# Altium PCB V1.0.PcbDoc (part 1 of 2) (continued)
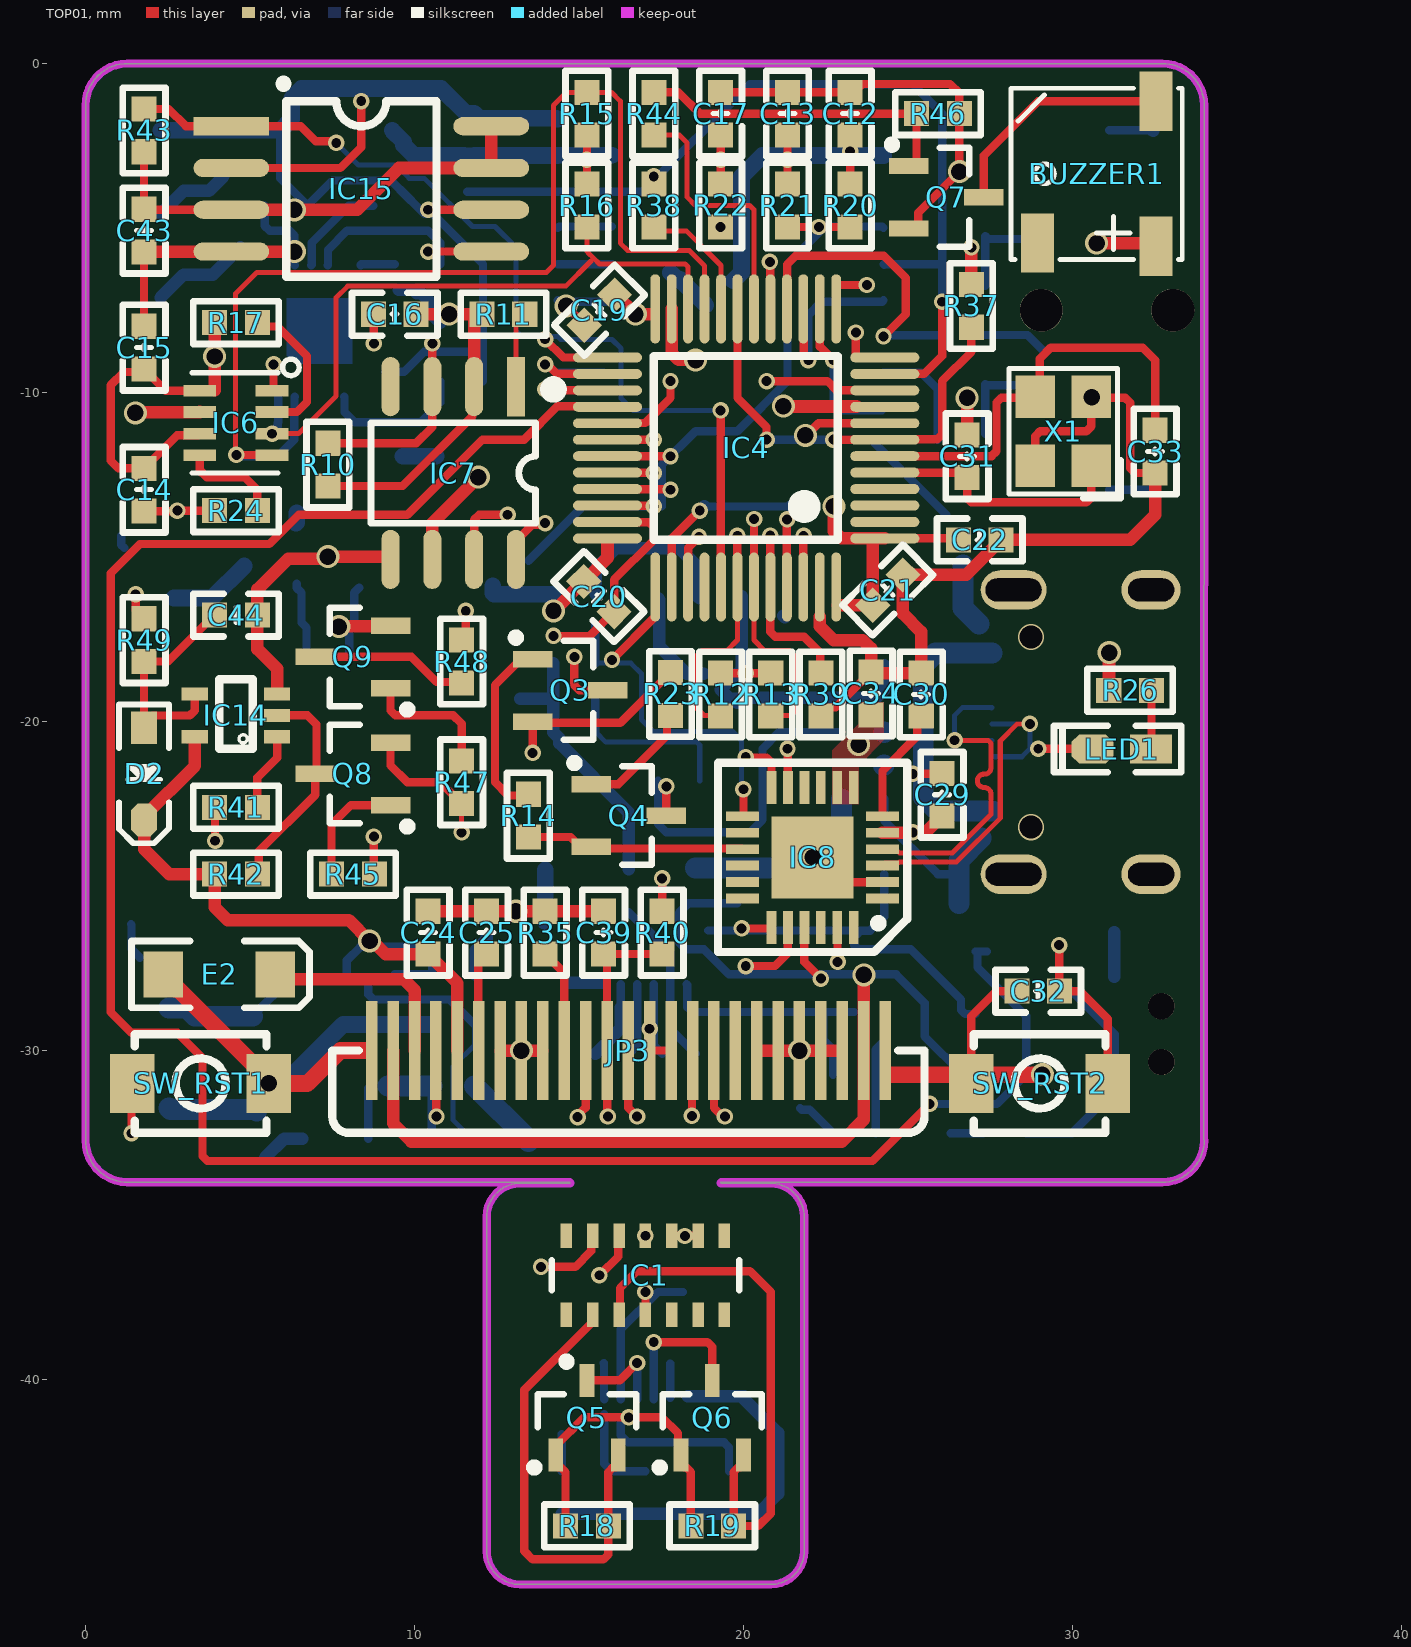
[diagram p0: TOP01 view]
## Components (designator, comment, footprint, x,y, rotation, side; value= is the part's Value field where it differs from the comment)
BUZZER1 "Beep-5020" 5020BUZZER 30.734,-3.302 r0 top
C1 "4.7μF" "C 0603_L" 17.018,-43.434 r270 bottom
C2 "0.1μF" "C 0603_L" 27.94,-32.512 r0 bottom
C3 "10nF" "C 0603_L" 6.096,-4.318 r0 bottom
C4 "10μF" "C 0603_L" 19.558,-43.434 r90 bottom
C5 "0.1μF" "C 0603_L" 11.176,-32.766 r0 bottom
C6 "1μF" "C 0603_L" 11.938,-2.286 r90 bottom
C7 "10uF/6.3V" "CD A(3216)" 7.62,-2.032 r180 bottom
C8 "2.2nF" "C 0603_L" 11.43,-9.652 r180 bottom
C9 "0.1μF" "C 0603_L" 11.43,-6.096 r0 bottom
C10 "0.1μF" "C 0603_L" 18.161,-13.462 r180 bottom
C11 "0.1μF" "C 0603_L" 11.43,-7.874 r180 bottom
C12 "0.1μF" "C 0603_L" 23.241,-1.524 r90 top
C13 "0.1μF" "C 0603_L" 21.336,-1.524 r90 top
C14 "0.1μF" "C 0603_L" 1.778,-12.954 r270 top
C15 "0.1μF" "C 0603_L" 1.778,-8.636 r90 top
C16 "0.1μF" "C 0603_L" 9.398,-7.62 r180 top
C17 "0.1μF" "C 0603_L" 19.304,-1.524 r90 top
C18 "4.7μF" "C 0603_L" 22.098,-13.462 r0 bottom
C19 "0.1μF" "C 0603_L" 15.621,-7.493 r45 top
C20 "0.1μF" "C 0603_L" 15.605,-16.201 r135 top
C21 "0.1μF" "C 0603_L" 24.384,-16.002 r225 top
C22 "0.1μF" "C 0603_L" 27.178,-14.478 r180 top
C23 "4.7pF" "C 0603_L" 10.16,-24.13 r0 bottom
C24 "1μF" "C 0603_L" 10.414,-26.416 r270 top
C25 "1μF" "C 0603_L" 12.192,-26.416 r270 top
C26 "4.7μF" "C 0603_L" 2.032,-22.098 r0 bottom
C27 "10μF" "C 0603_L" 23.622,-18.288 r180 bottom
C28 "10μF" "C 0603_L" 23.622,-22.352 r0 bottom
C29 "1μF" "C 0603_L" 26.035,-22.225 r90 top
C30 "0.1μF" "C 0603_L" 25.4,-19.177 r90 top
C31 "22pF" "C 0603_L" 26.797,-11.938 r90 top
C32 "0.1μF" "C 0603_L" 28.956,-28.194 r0 top locked
C33 "22pF" "C 0603_L" 32.512,-11.796 r270 top
C34 "1μF" "C 0603_L" 23.876,-19.147 r90 top
C35 "1μF" "C 0603_L" 11.303,-11.938 r180 bottom
C36 "1μF" "C 0603_L" 11.43,-17.907 r0 bottom
C37 "1μF" "C 0603_L" 2.682,-9.906 r180 bottom
C38 "1μF" "C 0603_L" 2.032,-16.256 r0 bottom
C39 "0.1μF" "C 0603_L" 15.748,-26.416 r270 top
C40 "2.2μF" "C 0603_L" 7.366,-17.907 r0 bottom
C41 "10μF" "C 0603_L" 7.874,-11.938 r0 bottom
C42 "10μF" "C 0603_L" 4.826,-14.62 r270 bottom
C43 "0.1μF" "C 0603_L" 1.778,-5.08 r90 top
C44 "10μF" "C 0603_L" 4.572,-16.764 r0 top
D1 "1N4148" SOD-123 9.144,-20.32 r0 bottom
D2 "1N4148" SOD-323 1.778,-21.59 r270 top
DZx1 "BAT54C" SOT23-3N 28.194,-27.94 r90 bottom
E1 "4.7uF/35V" "CD A(3216)" 13.97,-24.384 r270 bottom
E2 "4.7uF/35V" "CD A(3216)" 4.064,-27.686 r180 top
H1 "PAD2" CHARGE_PAD 2.54,-29.972 r180 top locked
IC1 "MAX30102EFD+" FP-F143A5-1-MFG 17.018,-36.83 r90 top
IC2 "MPU6050" "QFN24 4x4_M" 7.112,-8.128 r90 bottom
IC3 "DS2740" MSOP8_L 7.62,-30.226 r180 bottom
IC4 "STM32F103CBT6" "LQFP48 7X7_M" 20.066,-11.684 r90 top
IC5 "ESP01F" ESP-01F 19.304,-6.096 r180 bottom
IC6 "BME280" BME280 4.572,-10.922 r0 top
IC7 "DS3231-8PIN" SOP8_N 11.176,-12.446 r270 top
IC8 "CH342F" QFN24 22.098,-24.13 r180 top
IC9 "TPS61040DBV" SOT23-5L 6.096,-23.114 r270 bottom
IC10 "PW4056H" SOP-8_L4.9-W3.9-P1.27-LS6.0-BL-EP3.1 19.304,-19.028 r0 bottom
IC11 "PW5410A" SOT23-6 7.366,-14.859 r180 bottom
IC12 "RT9013" SOT23-5L 2.159,-12.954 r0 bottom
IC13 "PW6566" SOT23-3L 11.43,-14.732 r180 bottom
IC14 "74HC1G66GW,125" SOT-353_L2.2-W1.4-P0.65-LS2.4-BR 4.572,-19.812 r0 top
IC15 "W25Q64" SOP8W_N 8.382,-3.81 r0 top
JP1 "FPC1.0-6P" "FPC0.5 2H-WS-6P" 17.018,-38.1 r0 bottom
JP2 "FPC1.0-6P" "FPC0.5 2H-WS-6P" 17.018,-30.48 r180 bottom
JP3 "25pin焊接式FPC" 25PIN焊接式FPC 16.5,-30 r0 top locked
JP4 "HDR-1X3" HDR2.54-3P 2.286,-4.572 r180 bottom locked
K1 "拨轮开关" 拨轮开关 30.2,-7.5 r0 bottom locked
L1 "6.8uH" NR3015 3.81,-19.558 r0 bottom
LED1 "绿色" "LED 0603G" 31.496,-20.828 r180 top
Q1 "AO3401" SOT23-3N 20.066,-25.4 r90 bottom
Q2 "SS8050" SOT23-3N 23.368,-27.686 r180 bottom
Q3 "SS8050" SOT23-3N 14.732,-19.05 r270 top
Q4 "SS8050" SOT23-3N 16.51,-22.86 r270 top
Q5 "2SK3018" SOT23-3L 15.24,-41.148 r0 top
Q6 "2SK3018" SOT23-3L 19.05,-41.148 r0 top
Q7 "SS8050" SOT23-3N 26.162,-4.064 r270 top
Q8 "SS8050" SOT23-3N 8.128,-21.59 r90 top
Q9 "SS8550" SOT23-3N 8.128,-18.034 r90 top
R1 "22K" "R 0603_L" 27.94,-30.734 r0 bottom
R2 "4.7K" "R 0603_L" 11.176,-27.686 r0 bottom
R3 "150" "R 0603_L" 11.176,-29.21 r180 bottom
R4 "10K" "R 0603_L" 9.398,-4.318 r0 bottom
R5 "240K" "R 0603_L" 23.622,-24.384 r0 bottom
R6 "0" "R 0603_L" 14.478,-43.434 r90 bottom
R7 "10mΩ" "R 0603_L" 11.176,-31.073 r0 bottom
R8 "2.2K" "R 0603_L" 23.368,-32.512 r180 bottom
R9 "240K" "R 0603_L" 23.368,-30.734 r0 bottom
R10 "4.7K" "R 0603_L" 7.366,-12.192 r90 top
R11 "4.7K" "R 0603_L" 12.7,-7.62 r0 top
R12 "4.7K" "R 0603_L" 19.304,-19.177 r270 top
R13 "4.7K" "R 0603_L" 20.828,-19.177 r270 top
R14 "10K" "R 0603_L" 13.462,-22.86 r90 top
R15 "4.7K" "R 0603_L" 15.24,-1.524 r90 top
R16 "4.7K" "R 0603_L" 15.24,-4.318 r270 top
R17 "10K" "R 0603_L" 4.572,-7.874 r180 top
R18 "4.7K" "R 0603_L" 15.24,-44.45 r0 top
R19 "4.7K" "R 0603_L" 19.05,-44.45 r0 top
R20 "1K" "R 0603_L" 23.241,-4.318 r270 top
R21 "1K" "R 0603_L" 21.336,-4.318 r270 top
R22 "1K" "R 0603_L" 19.304,-4.313 r270 top
R23 "10K" "R 0603_L" 17.78,-19.162 r90 top
R24 "10K" "R 0603_L" 4.572,-13.589 r0 top
R25 "4.7K" "R 0603_L" 16.51,-25.146 r90 bottom
R26 "1K" "R 0603_L" 31.75,-19.05 r180 top
R27 "100K" "R 0603_L" 23.622,-20.32 r0 bottom
R28 "2.3M" "R 0603_L" 10.16,-25.908 r0 bottom
R29 "2" "R 0603_L" 23.622,-16.256 r0 bottom
R30 "4.7K" "R 0603_L" 14.859,-20.32 r180 bottom
R31 "4.7K" "R 0603_L" 14.859,-18.224 r180 bottom
R32 "10K" "R 0603_L" 2.032,-26.162 r180 bottom
R33 "205K" "R 0603_L" 6.858,-25.908 r0 bottom
R34 "10K" "R 0603_L" 2.032,-24.13 r0 bottom
R35 "1.2M" "R 0603_L" 13.97,-26.416 r270 top
R36 "2.8K" "R 0603_L" 14.859,-16.129 r0 bottom
R37 "10K" "R 0603_L" 26.924,-7.366 r90 top
R38 "10K" "R 0603_L" 17.272,-4.318 r90 top
R39 "10K" "R 0603_L" 22.352,-19.177 r270 top
R40 "10K" "R 0603_L" 17.526,-26.416 r270 top
R41 "2.7K" "R 0603_L" 4.572,-22.606 r0 top
R42 "10K" "R 0603_L" 4.572,-24.638 r0 top
R43 "4.7K" "R 0603_L" 1.778,-2.032 r270 top
R44 "2.2K" "R 0603_L" 17.272,-1.524 r90 top
R45 "2.7K" "R 0603_L" 8.128,-24.638 r180 top
R46 "240K" "R 0603_L" 25.908,-1.524 r180 top
R47 "1K" "R 0603_L" 11.43,-21.844 r270 top
R48 "1K" "R 0603_L" 11.43,-18.176 r270 top
R49 "100K" "R 0603_L" 1.778,-17.526 r90 top
SW_PWR "3" KEY-SMD_UK-B0264-SP25Y 32.3,-29.5 r90 bottom locked
SW_RST1 "3x4x2" SW-SMD_L4.0-W3.0-LS4.6 3.5,-31 r0 top locked
SW_RST2 "3x4x2" SW-SMD_L4.0-W3.0-LS4.6 29,-31 r180 top locked
USB1 "TYPE-C 16PIN 3MD(385)" USB-C-SMD_KH-TYPE-C-16P 29.972,-20.32 r270 bottom
X1 "8M" "OSC 3225-4P" 29.718,-11.176 r90 top

## Footprints (in the part's own frame and the unit in brackets; to place one, negate y for a bottom-side part, rotate by r counter-clockwise, add the part's x,y. Pads: shape width x height; smd on the part's side, far side on the other; paste and mask are expansions set on the pad)
25PIN焊接式FPC [mm]
  rect 0.35x3 smd: 1(-7.8,0) 2(-7.15,0) 3(-6.5,0) 4(-5.85,0) 5(-5.2,0) 6(-4.55,0) 7(-3.9,0) 8(-3.25,0) 9(-2.6,0) 10(-1.95,0) 11(-1.3,0) 12(-0.65,0) 13(0,0) 14(0.65,0) 15(1.3,0) 16(1.95,0) 17(2.6,0) 18(3.25,0) 19(3.9,0) 20(4.55,0) 21(5.2,0) 22(5.85,0) 23(6.5,0) 24(7.15,0) 25(7.8,0)
  silkscreen extent -9,-2.5 9,0
5020BUZZER [mm]
  rect 1x1.8 smd: 1(1.8,-2.25) 2(1.8,2.152) 3(-1.801,-2.151)
  silkscreen extent -2.6,-2.65 2.6,2.55, body extent -2.6,-2.7 2.6,2.5, height 2
BME280 [mm]
  rect 1x0.351 smd: 1(1.1,0.98) 2(1.1,0.33) 3(1.1,-0.33) 4(1.1,-0.98) 5(-1.1,-0.98) 6(-1.1,-0.33) 7(-1.1,0.33) 8(-1.1,0.98)
  silkscreen extent -1.33,-1.52 1.92,1.94, body extent -1.29,-1.27 1.21,1.23, height 0.93
"C 0603_L" [mil] "无极性贴片电容"
  rect 30x30 smd: 1(-25.59,0) 2(25.59,0)
  silkscreen extent -51,-26 51,26, body extent -31,-16 31,16, height 32
"CD A(3216)" [mm] "长3.2mm，宽1.6mm，厚1.6mm"
  rect 1.2x1.4 smd: 1(-1.7,0) 2(1.7,0)
  silkscreen extent -2.74,-1.02 2.67,1.02, body extent -1.6,-0.8 1.6,0.8, height 1.6
CHARGE_PAD [mm]
  oval 3x2 smd far side: +(0,1.778) -(0,-1.27)
ESP-01F [mm]
  rect 1.5x0.8 smd mask+0.051: 1(-4.95,4.4) 2(-4.95,3.3) 3(-4.95,2.2) 4(-4.95,1.1) 5(-4.95,0) 6(-4.95,-1.1) 7(-4.95,-2.2) 8(-4.95,-3.3) 9(-4.95,-4.4) 18(4.95,4.4)
  rect 1.5x0.9 smd mask+0.051: 10(4.95,-4.4) 11(4.95,-3.3) 12(4.95,-2.2) 13(4.95,-1.1) 14(4.95,0) 15(4.95,1.1) 16(4.95,2.2) 17(4.95,3.3)
  rect 4x4 smd mask+0.051: 19(0.45,-1.25)
  silkscreen extent -6.28,-5.5 5,5.5, body extent -5.11,-5.56 4.89,5.44, height 2.81
FP-F143A5-1-MFG [mm]
  rect 0.75x0.35 smd paste+0 mask+0: 1(-1.2,2.4) 2(-1.2,1.6) 3(-1.2,0.8) 4(-1.2,0) 5(-1.2,-0.8) 6(-1.2,-1.6) 7(-1.2,-2.4) 8(1.2,-2.4) 9(1.2,-1.6) 10(1.2,-0.8) 11(1.2,0) 12(1.2,0.8) 13(1.2,1.6) 14(1.2,2.4)
  silkscreen extent -2.75,-2.85 0.45,2.85, body extent -1.65,-2.8 1.65,2.8, height 1.65
"FPC0.5 2H-WS-6P" [mm] "长：7.2mm，宽：5.2mm，高：2mm"
  rect 1.8x2.2 smd: 0(-2.9,0) 0(2.9,0)
  rect 0.3x1.3 smd: 1(-1.25,2.497) 2(-0.75,2.497) 3(-0.25,2.497) 4(0.25,2.497) 5(0.75,2.497) 6(1.25,2.497)
  silkscreen extent -3.67,-3.3 3.68,3.23, body extent -3.6,-3.15 3.6,2.85, height 2
HDR2.54-3P [mil]
  rect 130x70 smd: 1(0,100) 2(0,0) 3(0,-100)
  silkscreen extent -80,-150 80,150, body extent -43,-150 410,150, height 50
KEY-SMD_UK-B0264-SP25Y [mm]
  rect 0.9x0.8 smd mask+0.051: 1(-1.7,-1) 2(1.7,-1)
  rect 0.6x1.2 smd mask+0.051: 3(-2.3,1) 4(2.3,1)
  round 0.8 hole 0.8: ""(-0.85,0.4) ""(0.85,0.4)
  silkscreen extent -2.41,-1.25 2.41,1.42, body extent -2.3,-1.02 2.3,2.58, height 1.82
"LED 0603G" [mil] "绿色0603LED"
  rect 50x35 smd: 1(-35,0.26)
  oct 50x35 smd: 2(35,0.26)
  silkscreen extent -71,-28 81,28, body extent -31,-16 32,16, height 18
"LQFP48 7X7_M" [mm] "48脚，体宽7x7mm，脚距0.5mm"
  oval 0.3x2.1 smd: 1(-2.75,-4.227) 2(-2.25,-4.227) 3(-1.75,-4.227) 4(-1.25,-4.227) 5(-0.75,-4.227) 6(-0.25,-4.227) 7(0.25,-4.227) 8(0.75,-4.227) 9(1.25,-4.227) 10(1.75,-4.227) 11(2.25,-4.227) 12(2.75,-4.227) 25(2.75,4.202) 26(2.25,4.202) 27(1.75,4.202) 28(1.25,4.202) 29(0.75,4.202) 30(0.25,4.202) 31(-0.25,4.202) 32(-0.75,4.202) 33(-1.25,4.202) 34(-1.75,4.202) 35(-2.25,4.202) 36(-2.75,4.202)
  oval 2.1x0.3 smd: 13(4.227,-2.75) 14(4.227,-2.25) 15(4.227,-1.75) 16(4.227,-1.25) 17(4.227,-0.75) 18(4.227,-0.25) 19(4.227,0.25) 20(4.227,0.75) 21(4.227,1.25) 22(4.227,1.75) 23(4.227,2.25) 24(4.227,2.75) 37(-4.227,2.75) 38(-4.227,2.25) 39(-4.227,1.75) 40(-4.227,1.25) 41(-4.227,0.75) 42(-4.227,0.25) 43(-4.227,-0.25) 44(-4.227,-0.75) 45(-4.227,-1.25) 46(-4.227,-1.75) 47(-4.227,-2.25) 48(-4.227,-2.75)
  silkscreen extent -2.79,-2.79 2.79,2.79, body extent -4.5,-4.5 4.5,4.5, height 1.45
MSOP8_L [mm] "塑封体长3mm，宽3mm，脚距0.65"
  rect 0.26x1.3 smd: 1(-0.975,-2.45)
  oval 0.26x1.3 smd: 2(-0.325,-2.45) 3(0.325,-2.45) 4(0.975,-2.45) 5(0.975,2.45) 6(0.325,2.45) 7(-0.325,2.45) 8(-0.975,2.45)
  silkscreen extent -2.07,-2.6 1.3,1.3, body extent -1.5,-2.45 1.5,2.45, height 0.95
NR3015 [mm] "3.0mm*3.0mm*1.5mm(长*宽*高）"
  rect 0.8x2.7 smd: 1(-1.15,0) 2(1.15,0)
  silkscreen extent -1.78,-1.65 1.78,1.65, body extent -1.5,-1.5 1.5,1.5, height 1.6
"OSC 3225-4P" [mm] "3.2*2.5*0.7mm(长宽高)"
  rect 1.3x1.2 smd: 1(-1.05,-0.85) 2(1.05,-0.85) 3(1.05,0.85) 4(-1.05,0.85)
  silkscreen extent -2.03,-1.75 1.91,1.65, body extent -1.6,-1.25 1.6,1.25, height 0.7
QFN24 [mm] "4mm*4mm（蒜米工坊）"
  rect 1x0.3 smd: 1(-2.125,1.25) 2(-2.125,0.75) 3(-2.125,0.25) 4(-2.125,-0.25) 5(-2.125,-0.75) 6(-2.125,-1.25) 13(2.125,-1.25) 14(2.125,-0.75) 15(2.125,-0.25) 16(2.125,0.25) 17(2.125,0.75) 18(2.125,1.25)
  rect 0.3x1 smd: 7(-1.25,-2.125) 8(-0.75,-2.125) 9(-0.25,-2.125) 10(0.25,-2.125) 11(0.75,-2.125) 12(1.25,-2.125) 19(1.25,2.125) 20(0.75,2.125) 21(0.25,2.125) 22(-0.25,2.125) 23(-0.75,2.125) 24(-1.25,2.125)
  rect 2.5x2.5 smd: 25(0,0)
  silkscreen extent -2.88,-2.88 2.87,2.87, body extent -2,-2 2,2, height 0.9
"QFN24 4x4_M" [mm] "24脚，长x宽x高：4x4x1mm，脚距：0.5mm"
  rect 0.3x1 smd: 1(-1.25,-2)
  oval 0.3x1 smd: 2(-0.75,-2) 3(-0.25,-2) 4(0.25,-2) 5(0.75,-2) 6(1.25,-2) 13(1.25,2) 14(0.75,2) 15(0.25,2) 16(-0.25,2) 17(-0.75,2) 18(-1.25,2)
  oval 1x0.3 smd: 7(2,-1.25) 8(2,-0.75) 9(2,-0.25) 10(2,0.25) 11(2,0.75) 12(2,1.25) 19(-2,1.25) 20(-2,0.75) 21(-2,0.25) 22(-2,-0.25) 23(-2,-0.75) 24(-2,-1.25)
  rect 1x1 smd: 25(0,0)
  TOP01 region: -1,1 1,1 1,-1 -0.75,-1 -1,-0.75
  silkscreen extent -2.11,-2.6 2.11,2.11, body extent -2.01,-2.01 2.01,2.01, height 0.95
"R 0603_L" [mil] "1/10W贴片电阻"
  rect 30x30 smd: 1(-25.59,0) 2(25.59,0)
  silkscreen extent -51,-26 51,26, body extent -31,-16 31,16, height 16
SOD-123 [mil] "2.7x1.6X1.1mm（长宽高，不包括引脚）"
  rect 55x50 smd: 1(-67.5,0)
  oct 55x50 smd: 2(67.5,0)
  silkscreen extent -108,-35 112,35, body extent -73,-31 73,31, height 48
SOD-323 [mm] "1.8x1.3X0.9mm（长宽高，不包括引脚）"
  rect 1x0.8 smd: 1(-1.4,0)
  oct 1x0.8 smd: 2(1.4,0)
  silkscreen extent -2.11,-0.76 2.11,0.76, body extent -1.34,-0.63 1.31,0.67, height 1
SOP8_N [mm] "5*6*1.8mm（长宽高）"
  rect 1.8x0.55 smd: 1(-2.625,1.905)
  oval 1.8x0.55 smd: 2(-2.625,0.635) 3(-2.625,-0.635) 4(-2.625,-1.905) 5(2.625,-1.905) 6(2.625,-0.635) 7(2.625,0.635) 8(2.625,1.905)
  silkscreen extent -2.69,-2.5 1.52,3.2, body extent -3,-2.5 3,2.5, height 1.9
SOP8W_N [mm] "5.3*8.3*1.8mm（长宽高）"
  rect 2.3x0.55 smd: 1(-3.95,1.905)
  oval 2.3x0.55 smd: 2(-3.95,0.635) 3(-3.95,-0.635) 4(-3.95,-1.905) 5(3.95,-1.905) 6(3.95,-0.635) 7(3.95,0.635) 8(3.95,1.905)
  silkscreen extent -2.37,-2.67 2.29,3.19, body extent -3.94,-2.64 3.94,2.64, height 1.9
SOP-8_L4.9-W3.9-P1.27-LS6.0-BL-EP3.1 [mm]
  oval 0.6x1.8 smd mask+0.051: 1(-1.905,-2.772) 2(-0.635,-2.772) 3(0.635,-2.772) 4(1.905,-2.772) 5(1.905,2.772) 6(0.635,2.772) 7(-0.635,2.772) 8(-1.905,2.772)
  rect 3.1x2 smd mask+0.051: 9(0,0)
  silkscreen extent -2.8,-2.92 2.53,1.52, body extent -2.44,-3 2.46,3, height 1.7
SOT23-3L [mm] "3x1.3x1mm(长宽高)"
  rect 0.45x1 smd: 1(-0.95,-1.143) 2(0.95,-1.143) 3(0,1.125)
  silkscreen extent -1.73,-1.65 1.5,0.7, body extent -1.5,-1.2 1.5,1.2, height 1.05
SOT23-3N [mm] "3x1.3x1mm(长宽高)"
  rect 0.5x1.2 smd: 1(-0.95,-1.143) 2(0.95,-1.143) 3(0,1.143)
  silkscreen extent -1.72,-1.78 1.5,0.7, body extent -1.5,-1.2 1.5,1.2, height 1.05
SOT23-5L [mm] "3x1.6x1.1mm(长宽高)"
  rect 0.45x1 smd: 1(-0.95,-1.4) 2(0,-1.4) 3(0.95,-1.4) 4(0.95,1.4) 5(-0.95,1.4)
  silkscreen extent -1.6,-1.73 1.5,0.66, body extent -1.5,-1.4 1.5,1.4, height 1.15
SOT23-6 [mm] "SOT-23/SC-74A; 5 Leads; Body 3.1 x 3 mm, inc. leads (LxW max)"
  rect 0.55x1.45 smd: 1(0.95,1.075) 2(0,1.075) 3(-0.95,1.075) 4(-0.95,-1.075) 5(0,-1.075) 6(0.95,-1.075)
  silkscreen extent -1.55,-0.9 1.72,1.88, body extent -1.43,-1.2 1.49,1.14, height 1
SOT-353_L2.2-W1.4-P0.65-LS2.4-BR [mm]
  rect 0.8x0.4 smd mask+0.051: 1(1.25,-0.65) 2(1.25,0) 3(1.25,0.65) 4(-1.25,0.65) 5(-1.25,-0.65)
  silkscreen extent -0.51,-1.02 0.51,1.1, body extent -1.06,-1 1.06,1, height 1.25
SW-SMD_L4.0-W3.0-LS4.6 [mm]
  rect 1.35x1.8 smd mask+0.051: 1(-2.075,0) 2(2.075,0)
  silkscreen extent -2,-1.5 2,1.5, body extent -2.27,-1.48 2.27,1.52, height 2.02
USB-C-SMD_KH-TYPE-C-16P [mm]
  oval 1.2x2 hole 0.7 slot 1.7 at 90 deg mask+0.051: 1(-4.32,1.765) 2(4.32,1.765)
  oval 1.2x1.8 hole 0.7 slot 1.4 at 90 deg mask+0.051: 3(-4.32,-2.415) 4(4.32,-2.415)
  rect 0.6x1.3 smd mask+0.05: A1B12(-3.2,2.415) A4B9(-2.4,2.415) B1A12(3.2,2.415) B4A9(2.4,2.415)
  rect 0.3x1.3 smd mask+0.05: A5(-1.25,2.415) A6(-0.25,2.415) A7(0.25,2.415) A8(1.25,2.415) B5(1.75,2.415) B6(0.75,2.415) B7(-0.75,2.415) B8(-1.75,2.415)
  silkscreen extent -4.57,-5.08 4.57,0.57, body extent -4.47,-5.02 4.47,2.79, height 3.25
拨轮开关 [mm]
  rect 0.8x1.3 smd: a(2.25,-5.45) a(2.25,5.45)
  rect 1.6x1 smd: b(-2.85,-3.75) c(-2.85,-2.25) d(-2.85,-0.75) e(-2.85,0.75) f(-2.85,2.25) g(-2.85,3.75) s(-1.6,-5.75) s(-1.6,5.75)
  round 1.3 hole 1.3 unplated: ""(-1.15,0) ""(2.85,0)
  silkscreen extent -4,-7.18 8.7,7.17, body extent -3.28,-7.28 8.72,7.28, height 3

## Part data
BUZZER1: "贴片蜂鸣器5020最小封装"
C1 C2 C3 C4 C5 C6 C8 C9 C10 C11 C12 C13 C14 C15 C16 C17 C18 C19 C20 C21 C22 C23 C24 C25 C26 C27 C28 C29 C30 C31 C32 C33 C34 C35 C36 C37 C38 C39 C40 C41 C42 C43 C44: library part C, "无极性贴片电容", BOM名称=无极性贴片电容, 学习资源=www.ooocke.com, 版权归属=源创客
C7 E1 E2: library part C-CD, "贴片钽电容", BOM名称=贴片钽电容, 学习资源=www.ooocke.com, 版权归属=源创客
D1 D2: "高速开关二极管", BOM名称=高速开关二极管, 学习资源=www.ooocke.com, 版权归属=源创客
DZx1: "双肖特基，共阴极"
H1: "引线焊盘", BOM名称=引线焊盘, 学习资源=www.ooocke.com, 版权归属=源创客
IC1: library part MAX30102, "IC SENSOR OXIMETER/HEARTRATE", Manufacturer="Maxim Integrated", Max Junction Temp=+90°C, Max Supply Voltage=2V, Min Supply Voltage=1.7V, Operating Supply Current=600uA, Package=F143A5-1, Temperature="-40°C to +85°C", Temperature Range High=+85°C, Temperature Range Low=-40°C, Automotive=No, Category=IC, ComponentLink2Description=Datasheet, ComponentLink2URL=https://datasheets.maximintegrated.com/en/ds/MAX30102.pdf, Device Class L1=Sensors, Device Class L2=unset, Device Class L3=unset, Digikey Description="IC SENSOR OXIMETER/HEARTRATE", Footprint Url=https://pdfserv.maximintegrated.com/land_patterns/90-0602.PDF, Height=1.65mm, Lead Free=Yes, Manufacturer Part Number=MAX30102EFD+, Mouser Description="Pulse Oximeter/Heart Rate Sensor, Oesip", Octopart=https://octopart.com/max30102efd%2B-maxim+integrated-59568799, RoHS=TRUE, Sensor Output=I2C
IC2: "陀螺仪"
IC3: "高精度库仑计"
IC4: library part STM32F103CB, "Flash:128/RAM:20/IO:48", BOM名称=32位STM单片机, 学习资源=www.ooocke.com, 版权归属=源创客
IC5: "ESP-01F WiFi 模块是由安信可科技开发的，该模块核心处理器 ESP8285 在较小尺寸封装中集成了业界领先的 Tensilica L106 超低功耗 32 位微型 MCU，带有 16 位精简模式，主频支持 80 MHz 和 160 MH，支持 RTOS，集成 Wi-Fi MAC/BB/RF/PA/LNA。ESP-01F WiFi 模块支持标准的 IEEE802.11 b/g/n 协议，完整的 TCP/IP 协议栈。用户可以使用该模块为现有的设备添加联网功能，也可以构建独立的网络控制器"
IC6: "气压，湿度，温度传感器"
IC8: "类型:-;协议类别:-;驱动器/接收器数:-;数据速率:-;", Manufacturer=WCH(南京沁恒), Device=CH342F, LCSC Part Name=CH342F, Manufacturer Part=CH342F, Supplier Part=C968586, Symbol=CH342F
IC9: "28V、400mA 开关升压转换器，适用于 LCD 和白光 LED"
IC10: "PW4056H 是一款完整的采用恒定电流/恒定电压的高压、大电流、单节鲤离子电池线性充电IC，最高耐压可达 28V，6.5V 自动过压保护，充电电流可达 1A。"
IC11: "低噪声，恒频 1.2MHZ，输入电压范围2.7v-5v，5v固定输出电压，输出电流250mA的DCDC升压"
IC12: "RT9013是一款超低噪声、超低压差、超快速响应稳压器。它采用SOT23-5 (2.7mm X 1.4mm)/SC70-5( 1 8mm X 1.15mm )/DFN-6L( 2mm X 2mm )三种封装"
IC13: "PW6566 系列是使用 CMOS 技术开发的低压差，高精度 输出电压，低消耗电流正电压型电压稳压器"
IC14: "逻辑类型:SPST-NO;额外特性:-;", JLCPCB Part Class="Extended Part", Manufacturer=Nexperia(安世), Voltage - Supply=-, Add into BOM=yes, Convert to PCB=yes, Datasheet=https://atta.szlcsc.com/upload/public/pdf/source/20160918/1474166836525.pdf, Device=74HC1G66GW,125, Features=-, LCSC Part Name=74HC1G66GW,125, Logic Type=SPST-NO, Manufacturer Part=74HC1G66GW,125, Number of Circuits/Elements=1, Number of Inputs/Bits per Element=-, Series=-, Supplier=LCSC, Supplier Footprint=SOT-353, Supplier Part=C18566, Symbol=74HC1G66GW,125
IC15: library part W25Qxx, "外置Flash", BOM名称=外置Flash, 学习资源=www.ooocke.com, 版权归属=源创客
JP1 JP2: library part FPC-6P, "FPC连接器", BOM名称=FPC连接器, 学习资源=www.ooocke.com, 版权归属=源创客
JP4: library part "Header 3", "3P接插件", BOM名称=3P接插件, 学习资源=www.ooocke.com, 版权归属=源创客
L1: library part L-NR, "NR磁胶电感", BOM名称=NR磁胶电感, 学习资源=www.ooocke.com, 版权归属=源创客
LED1: library part LED-SMD, "贴片LED", BOM名称=贴片LED, 学习资源=www.ooocke.com, 版权归属=源创客
Q1: "P沟道场效应管", BOM名称=P沟道场效应管, 学习资源=www.ooocke.com, 版权归属=源创客
Q2 Q3 Q4 Q7 Q8: library part 8050-SMD, "高频放大-NPN型", BOM名称=高频放大-NPN型, 学习资源=www.ooocke.com, 属性="40V 1.5A 1W 100MHZ", 版权归属=源创客
Q5 Q6: "类型:-;漏源电压(Vdss):-;连续漏极电流(Id):-;功率(Pd):-;导通电阻(RDS(on)@Vgs,Id):-;阈值电压(Vgs(th)@Id):-;栅极电荷(Qg@Vgs):-;输入电容(Ciss@Vds):-;反向传输电容(Crss@Vds):-;", Continuous Drain Current (Id)=-, JLCPCB Part Class="Extended Part", Manufacturer=TWGMC(台湾迪嘉), Add into BOM=yes, Convert to PCB=yes, Datasheet=https://atta.szlcsc.com/upload/public/pdf/source/20200827/C727148_2301BBDB89FCE642A4A39ABEF7075607.pdf, Device=2SK3018, Drain Source On Resistance (RDS(on)@Vgs,Id)=-, Drain Source Voltage (Vdss)=-, Gate Threshold Voltage (Vgs(th)@Id)=-, Input Capacitance (Ciss@Vds)=-, LCSC Part Name=2SK3018, Manufacturer Part=2SK3018, Power Dissipation (Pd)=-, Reverse Transfer Capacitance (Crss@Vds)=-, Supplier=LCSC, Supplier Footprint=SOT-23, Supplier Part=C727148, Symbol=2SK3018_C727148, Total Gate Charge (Qg@Vgs)=-, Type=-
Q9: library part 8550-SMD, "高频放大-PNP型", BOM名称=高频放大-PNP型, 学习资源=www.ooocke.com, 属性="40V 1.5A 1W 100MHZ", 版权归属=源创客
R1 R2 R3 R4 R5 R6 R7 R8 R9 R10 R11 R12 R13 R14 R15 R16 R17 R18 R19 R20 R21 R22 R23 R24 R25 R26 R27 R28 R29 R30 R31 R32 R33 R34 R35 R36 R37 R38 R39 R40 R41 R42 R43 R44 R45 R46 R47 R48 R49: library part R, "贴片电阻", BOM名称=贴片电阻, 学习资源=www.ooocke.com, 版权归属=源创客
SW_PWR: library part "TSW 2x4x3.5", "2x4x3.5轻触开关", BOM名称=2x4x3.5轻触开关, 学习资源=www.ooocke.com, 版权归属=源创客
SW_RST1 SW_RST2: library part "TSW 3x4x2", "3x4x2开关", BOM名称=3x4x2开关, 学习资源=www.ooocke.com, 版权归属=源创客
USB1: "连接器类型:Type-C;标准:-;公母:母座;触点数量:16;端口数量:1;安装方式:卧贴;额定电流 - 电源:3A;工作温度范围:-40℃~+85℃;", Current Rating - Power (Max)=3A, JLCPCB Part Class="Extended Part", LCSC Part Name="Type-C 母座 卧贴", Manufacturer="SHOU HAN(首韩)", Operating Temperature Range=-40℃~+85℃, Add into BOM=yes, Connector Type=Type-C, Convert to PCB=yes, Datasheet=https://atta.szlcsc.com/upload/public/pdf/source/20210728/C2858270_8CC81AF68E5F7ED0622FE1183F819D00.pdf, Device="TYPE-C 16PIN 3MD(385)", Gender=母座, Manufacturer Part="TYPE-C 16PIN 3MD(385)", Mounting Style=卧贴, Number of Contacts=16, Number of Ports=1, Standard=-, Supplier=LCSC, Supplier Footprint=SMD, Supplier Part=C2858270, Symbol="TYPE-C 16PIN 3MD(385)"
X1: library part XTAL-4P, "4脚无源晶振", BOM名称=4脚无源晶振, 学习资源=www.ooocke.com, 版权归属=源创客

## Via types
v1: diameter 0.5, hole 0.3, TOP01 to SIG03, tented both sides, 43 vias
v2: diameter 0.7, hole 0.5, PWR04 to BOTTOM06, tented both sides, 19 vias
v3: diameter 0.5, hole 0.3, SIG03 to BOTTOM06, tented both sides, 18 vias
v4: diameter 0.7, hole 0.5, TOP01 to GND05, tented both sides, 15 vias
v5: diameter 0.7, hole 0.5, GND05 to BOTTOM06, tented both sides, 14 vias
v6: diameter 0.5, hole 0.3, TOP01 to BOTTOM06, tented both sides, 14 vias
v7: diameter 0.5, hole 0.3, TOP01 to SIG02, tented both sides, 13 vias
v8: diameter 0.7, hole 0.5, TOP01 to PWR04, tented both sides, 13 vias
v9: diameter 0.5, hole 0.3, TOP01 to PWR04, tented both sides, 11 vias
v10: diameter 0.5, hole 0.3, TOP01 to GND05, tented both sides, 8 vias
v11: diameter 0.5, hole 0.3, GND05 to BOTTOM06, tented both sides, 8 vias
v12: diameter 0.5, hole 0.3, SIG02 to BOTTOM06, tented both sides, 7 vias
v13: diameter 0.6, hole 0.5, GND05 to BOTTOM06, tented both sides, 4 vias
v14: diameter 1.27, hole 0.711, GND05 to BOTTOM06, tented both sides, 3 vias
v15: diameter 0.5, hole 0.3, PWR04 to BOTTOM06, tented both sides, 2 vias
v16: diameter 0.8, hole 0.7, TOP01 to BOTTOM06, tented both sides, 2 vias
v17: diameter 0.7, hole 0.5, TOP01 to BOTTOM06, tented both sides, 1 vias
v18: diameter 1.27, hole 0.711, PWR04 to BOTTOM06, tented both sides, 1 vias

## Nets (pads, with @x,y where several pads share a name; then routed paths per layer and width w, separated by ;. In a path a pad name is that pad's centre, name@x,y a point inside that pad or via, vN(x,y) a via of type N, cw(c..) or ccw(c..) an arc to the next point about the centre after c; other vN are vias at no path point)
+1.8V: C1.1 C36.1 IC1.11 IC13.2 JP1.1 JP2.6 Q5.1 Q6.1 R18.1 R19.1 | length 14.9
  TOP01 w0.254: R18.1@14.59,-44.45 14.59,-42.813 14.441,-42.664 14.388,-42.664 14.29,-42.566 14.29,-42.016 15.158,-41.148 17.526,-41.148 18.007,-41.629 18.007,-42.198 Q6.1@18.1,-42.291 18.1,-42.566 18.198,-42.664 18.251,-42.664 18.4,-42.813 R19.1@18.4,-44.45
  BOTTOM06 w0.254: JP2.6@15.745,-27.94 15.768,-27.963 JP2.6@15.768,-27.983 ; v15(15.748,-39.497) 15.758,-39.507 15.758,-40.587 JP1.1@15.768,-40.597 ; JP1.1@15.768,-41.056 15.768,-42.561 15.991,-42.784 C1.1@17.018,-42.784
  BOTTOM06 w0.381: v2(14.732,-27.94) JP2.6@15.745,-27.94
  other v2: 10.033,-17.145
  other v9: 16.51,-41.148 17.018,-35.63
+3.3V: BUZZER1.1 C6.1 C7.1 C11.2 C14.1 C15.1 C16.1 C18.2 C19.2 C20.2 C21.2 C22.2 C24.2 C29.1 C38.1 C43.2 D2.2 IC2.13 IC4.1 IC4.9 IC4.24 IC4.36 IC4.48 IC5.17 IC6.6 IC6.8 IC7.2 IC8.5 IC12.5 IC14.5 IC15.3 IC15.7 IC15.8 JP3.5 Q9.2 R2.2 R10.1 R11.1 R12.1 R13.1 R15.1 R16.1 R17.2 R20.2 R21.2 R22.2 R25.2 R26.2 R30.2 R31.2 R37.2 R40.1 R42.1 R43.2 R49.2 | length 103.2
  TOP01 w0.254: v9(1.524,-16.129) 1.524,-16.622 R49.2@1.778,-16.876 ; D2.2@1.775,-22.987 D2.2@1.778,-22.99 D2.2@1.778,-22.89 ; R43.2@1.778,-2.682 C43.2@1.778,-4.43 1.793,-4.445 IC15.3@4.432,-4.445 ; IC14.5@3.116,-20.535 3.189,-20.462 IC14.5@3.322,-20.462 ; IC6.6@3.472,-11.252 3.424,-11.3 2.781,-11.3 C14.1@1.778,-12.304 1.001,-12.304 0.762,-12.065 0.762,-9.779 1.165,-9.376 1.688,-9.376 C15.1@1.778,-9.286 2.434,-9.942 IC6.8@3.619,-9.942 ; R17.2@3.667,-8.129 R17.2@3.922,-7.874 ; R10.1@7.366,-12.842 9.637,-12.842 11.754,-10.725 11.754,-9.878 IC7.2@11.811,-9.821 ; IC4.36@14.964,-14.434 IC4.36@15.864,-14.434 ; R16.1@15.24,-3.922 R15.1@15.24,-2.174 ; R40.1@17.526,-25.766 v9(17.526,-24.765) ; R12.1@19.304,-18.527 R13.1@20.828,-18.527 ; R21.2@21.336,-4.968 R20.2@23.241,-4.968 ; IC4.48@22.816,-16.44 IC4.48@22.816,-15.911 ; IC4.9@24.284,-10.425 IC4.9@24.293,-10.434 ; IC4.1@24.293,-14.434 26.484,-14.434 C22.2@26.528,-14.478
  TOP01 w0.381: D2.2@1.778,-22.99 1.778,-23.876 2.54,-24.638 R42.1@3.922,-24.638 3.922,-25.639 4.318,-26.035 8.001,-26.035 v8(8.636,-26.67) 8.722,-26.67 9.118,-27.066 C24.2@10.414,-27.066 11.3,-27.952 JP3.5@11.3,-30 ; D2.2@1.778,-22.89 3.322,-21.346 IC14.5@3.322,-20.462 ; IC6.8@3.922,-9.934 R17.2@3.922,-7.874 ; IC15.3@4.432,-4.445 v8(6.35,-4.445) 8.255,-4.445 9.525,-3.175 IC15.7@12.332,-3.175 IC15.8@12.332,-1.905 ; v8(7.699,-17.115) 7.715,-17.1 9.255,-17.1 Q9.2@9.271,-17.084 ; C16.1@10.048,-7.62 v8(11.049,-7.62) R11.1@11.811,-7.62 ; IC7.2@11.811,-9.821 R11.1@11.811,-7.62 ; R11.1@12.05,-7.62 R11.1@11.811,-7.62 ; v8(14.224,-16.637) 14.237,-16.637 C20.2@15.139,-15.735 ; C20.2@15.146,-15.741 15.865,-15.022 IC4.36@15.865,-14.534 ; C19.2@16.081,-7.034 16.129,-7.034 v8(16.716,-7.62) IC4.24@17.275,-7.62 ; v8(21.209,-10.414) 21.219,-10.424 IC4.9@23.434,-10.424 ; v17(22.748,-13.462) 22.748,-14.211 22.971,-14.434 IC4.1@24.293,-14.434 ; IC4.48@22.857,-16.461 C21.2@23.924,-16.461 IC4.1@23.924,-14.455 ; IC8.5@24.223,-23.38 24.229,-23.374 25.14,-23.374 25.169,-23.345 25.565,-23.345 C29.1@26.035,-22.875 ; R37.2@26.924,-6.716 v9(26.924,-5.588) ; v8(30.734,-5.461) 32.443,-5.461 BUZZER1.1@32.534,-5.552 ; R26.2@31.1,-19.05 31.108,-19.042 31.108,-17.914 v8(31.115,-17.907)
  BOTTOM06 w0.254: IC12.5@1.082,-14.354 1.082,-14.629 IC12.5@1.18,-14.727
  BOTTOM06 w0.381: IC2.13@9.525,-6.878 9.967,-6.878 10.074,-6.985 10.207,-6.985 10.59,-7.368 10.59,-7.684 C11.2@10.78,-7.874 ; R2.2@11.826,-27.686 11.865,-27.647 11.865,-26.957 12.192,-26.629 v2(12.192,-26.543) ; v2(13.208,-19.304) 14.177,-19.304 14.209,-19.272 ; R31.2@14.209,-18.225 14.209,-19.272 ; R25.2@16.51,-24.496 16.51,-22.766 14.4,-20.656 14.4,-20.511 R30.2@14.209,-20.32 14.209,-19.272
  BOTTOM06 w0.508: C7.1@9.32,-2.032 9.666,-2.378 9.666,-2.478 9.984,-2.796 11.513,-2.796 11.526,-2.809 C6.1@11.824,-2.809 ; C6.1@11.824,-2.796 IC5.17@14.354,-2.796 14.359,-2.791 16.005,-2.791 v2(16.009,-2.787)
  other v2: 1.651,-15.24 10.16,-6.985
  other v8: 3.922,-8.904
  other v9: 25.146,-23.368 20.066,-18.527 22.288,-4.968 19.304,-4.963 15.24,-2.921
+5V: C4.2 C42.1 IC1.9 IC1.10 IC11.1 JP1.2 JP2.5 | length 12.8
  TOP01 w0.254: IC1.10@17.818,-35.63 17.821,-35.633 18.214,-35.633 v9(18.217,-35.636) 18.22,-35.633 18.615,-35.633 IC1.9@18.618,-35.63
  BOTTOM06 w0.254: JP1.2@16.268,-41.148 16.268,-41.696 16.482,-41.91 19.409,-41.91 19.558,-42.059 C4.2@19.558,-42.784 ; JP1.2@16.268,-40.597 16.268,-38.469 17.399,-37.338 v15(18.161,-37.338) ; 16.268,-28.702 JP2.5@16.268,-27.983
  BOTTOM06 w0.381: v2(15.494,-30.099) 16.262,-29.331 16.262,-28.708 16.268,-28.702
  BOTTOM06 w0.508: IC11.1@6.395,-13.97 6.416,-13.949 IC11.1@6.416,-13.657
  other v2: 5.672,-13.683
+15V: C23.2 D1.2 E1.1 JP3.2 JP3.24 R28.2 | length 21.4
  TOP01 w0.381: JP3.2@9.35,-30 9.35,-32.21 9.906,-32.766 22.987,-32.766 23.65,-32.103 JP3.24@23.65,-30 23.652,-29.998 23.652,-27.704 v8(23.654,-27.702)
  other v2: 11.43,-22.733 12.7,-22.733
BAT+: C28.1 H1.+ IC7.6 IC10.5 Q1.2 R3.2 R5.1 | length 18.7
  TOP01 w0.381: IC7.6@10.541,-15.071 10.541,-13.97 v8(11.938,-12.573)
  BOTTOM06 w0.508: v18(5.203,-31.839) 7.832,-29.21 R3.2@10.526,-29.21
  BOTTOM06 w0.635: H1.+@2.54,-31.75 2.584,-31.794 5.158,-31.794 v18(5.203,-31.839) ; Q1.2@18.542,-24.45 Q1.2@18.923,-24.45 22.972,-24.45 C28.1@22.972,-22.352
  other v2: 22.098,-22.352 22.098,-21.463
BAT-: C5.1 H1.- IC3.1 IC3.5 IC3.6 R7.1 | length 11.4
  BOTTOM06 w0.254: v14(5.08,-28.956) 6.26,-27.776 IC3.5@6.645,-27.776 IC3.6@7.295,-27.776 ; C5.1@10.526,-32.766 R7.1@10.526,-31.073 ; IC3.1@8.595,-32.676 8.595,-31.14 IC3.1@8.595,-32.676
  BOTTOM06 w0.635: H1.-@2.54,-28.702 3.078,-28.702 3.332,-28.956 v14(5.08,-28.956) ; v14@9.192,-31.073 R7.1@10.526,-31.073
  other v14: 8.6,-31.14
BOOT0: IC4.44 R39.1 R48.1 | length 17.4
  TOP01 w0.254: R48.1@11.43,-17.526 11.557,-17.399 v1(11.557,-16.637) ; v1(20.813,-14.35) 20.814,-14.352 IC4.44@20.816,-15.911 IC4.44@20.816,-15.911 20.816,-17.276 20.965,-17.424 21.846,-17.424 22.335,-17.914 22.335,-18.51 R39.1@22.352,-18.527
  SIG03 w0.254: v1(11.557,-16.637) 12.197,-15.997 20.664,-15.997 20.813,-15.848 v1(20.813,-14.35)
BOOT1: IC4.20 R38.1 | length 3.8
  TOP01 w0.152: R38.1@17.272,-5.095 18.273,-5.095 19.316,-6.138 IC4.20@19.316,-7.457
  TOP01 w0.254: IC4.20@19.316,-7.457 IC4.20@19.32,-7.461
Buzzer: IC4.18 R44.1 | length 8
  TOP01 w0.152: R44.1@17.272,-2.174 18.049,-2.174 18.288,-2.413 18.288,-4.064 18.537,-4.313 20.188,-4.313 20.316,-4.441 IC4.18@20.316,-7.457
CHRG: IC4.45 IC10.6 R31.1 | length 19.2
  TOP01 w0.254: IC4.45@21.316,-15.911 v1@21.316,-13.863
  SIG03 w0.254: v3(15.494,-17.018) 15.512,-17.018 15.766,-16.764 20.701,-16.764 21.325,-16.14 v1(21.325,-13.854)
  BOTTOM06 w0.152: R31.1@15.509,-18.225 16.574,-18.225 16.891,-18.542 16.891,-19.939 17.254,-20.302 19.667,-20.302 19.939,-20.574 IC10.6@19.939,-21.801
  BOTTOM06 w0.254: v3(15.494,-17.018) 15.494,-18.209 R31.1@15.509,-18.225
CLOCK_INT: IC4.10 IC7.3 R10.2 | length 21.6
  TOP01 w0.254: R10.2@7.366,-11.542 10.048,-11.542 10.541,-11.049 IC7.3@10.541,-9.821 v1(10.541,-8.509) ; v1(20.701,-9.652) 22.546,-9.652 22.828,-9.934 IC4.10@24.293,-9.934
  SIG03 w0.152: v1(10.541,-8.509) 10.541,-9.017 12.446,-10.922 17.399,-10.922 18.669,-9.652 v1(20.701,-9.652)
DQ: IC3.7 IC4.39 R2.1 | length 64.1
  TOP01 w0.254: IC4.39@18.316,-15.911 18.316,-14.719 v1@18.647,-14.389
  SIG03 w0.254: v3(9.398,-27.686) 7.239,-27.686 2.212,-22.659 2.212,-3.63 3.175,-2.667 4.318,-2.667 4.953,-3.302 4.953,-3.937 3.937,-4.953 3.937,-7.874 4.699,-8.636 4.699,-9.144 4.064,-9.779 4.064,-12.573 4.699,-13.208 14.097,-13.208 15.258,-14.369 v1@18.647,-14.369
  BOTTOM06 w0.254: IC3.7@7.945,-27.776 7.945,-27.256 8.354,-26.847 10.392,-26.847 10.541,-26.995 R2.1@10.541,-27.642 ; v3(9.398,-27.686) R2.1@10.526,-27.686
  other v1: 18.647,-14.388
DTR0: IC8.23 R45.1 | length 18.3
  TOP01 w0.254: v1(8.763,-23.495) 8.763,-24.623 R45.1@8.778,-24.638 ; IC8.23@22.848,-26.255 22.854,-26.261 22.854,-27.299 v1(22.86,-27.305)
  SIG03 w0.254: v1(8.763,-23.495) 9.779,-23.495 13.335,-27.051 20.193,-27.051 20.701,-26.543 22.098,-26.543 v1(22.86,-27.305)
DTR1: IC8.15 Q4.2 R14.1 | length 6.4
  TOP01 w0.254: R14.1@13.462,-23.51 14.745,-23.51 14.894,-23.659 14.894,-23.687 15.008,-23.801 Q4.2@15.358,-23.801 ; Q4.2@15.621,-23.81 15.668,-23.857 19.95,-23.857 IC8.15@19.973,-23.88
ESP_EN: C10.2 IC5.4 Q3.3 | length 28.4
  TOP01 w0.254: v1(14.859,-18.034) 14.859,-18.901 15.008,-19.05 Q3.3@15.875,-19.05
  SIG03 w0.254: v3(13.462,-15.113) 11.811,-15.113 10.795,-16.129 10.795,-17.272 11.557,-18.034 v1(14.859,-18.034)
  BOTTOM06 w0.254: v3(13.462,-15.113) 15.113,-13.462 C10.2@17.511,-13.462 17.511,-12.207 18.542,-11.176 19.812,-11.176 21.336,-9.652 21.336,-6.096 22.479,-4.953 24.211,-4.953 IC5.4@24.254,-4.996
ESP_RST: IC4.11 IC5.5 IC5.16 SW_RST1.1 | length 71
  TOP01 w0.254: v1(1.397,-32.512) 1.397,-31.028 SW_RST1.1@1.425,-31 ; IC4.11@24.293,-9.434 25.491,-9.434 26.035,-8.89 v6(26.035,-7.239)
  SIG03 w0.254: v1(1.397,-32.512) 0.889,-32.004 0.889,-3.429 2.413,-1.905 10.795,-1.905 11.598,-2.708 v3(11.598,-3.896) ; v6@25.988,-7.192 v6(26.035,-7.239)
  BOTTOM06 w0.254: v3(11.598,-3.896) IC5.16@14.354,-3.896 16.932,-3.896 20.193,-0.635 25.146,-0.635 26.035,-1.524 26.035,-6.096 ; IC5.5@24.272,-6.114 IC5.5@24.254,-6.096 26.035,-6.096 ; v6@26.039,-7.235 v6(26.035,-7.239) 26.035,-6.096
ESP_RXD: IC4.12 IC5.14 IC8.13 | length 29
  TOP01 w0.254: IC8.13@19.973,-22.88 19.975,-22.88 19.998,-22.857 v1(19.998,-22.058) ; v1(23.415,-8.175) 23.415,-8.913 23.436,-8.934 IC4.12@24.293,-8.934
  SIG03 w0.254: v3(16.002,-6.096) 17.018,-6.096 18.542,-7.62 22.86,-7.62 v1(23.415,-8.175) 24.003,-8.763 24.003,-18.288 22.352,-19.939 22.352,-21.082 21.376,-22.058 v1(19.998,-22.058) v1@20.038,-22.098
  BOTTOM06 w0.254: IC5.14@14.354,-6.096 v3(16.002,-6.096)
ESP_TXD: IC4.13 IC5.15 IC8.12 | length 37.8
  TOP01 w0.254: v1(20.066,-21.082) 20.085,-21.101 20.697,-21.101 20.848,-21.252 IC8.12@20.848,-22.005 ; IC4.13@22.816,-7.457 22.816,-6.752 22.837,-6.731 v1(23.749,-6.731)
  SIG03 w0.254: v3(16.002,-4.953) 17.145,-4.953 18.923,-6.731 v1(23.749,-6.731) 24.849,-7.831 24.849,-20.998 22.606,-23.241 19.431,-23.241 18.923,-22.733 18.923,-21.463 19.291,-21.095 20.053,-21.095 v1(20.066,-21.082)
  BOTTOM06 w0.254: IC5.15@14.354,-4.996 14.397,-4.953 v3(16.002,-4.953)